# Allegro board 6089-119-RevB_08.brd (continued)
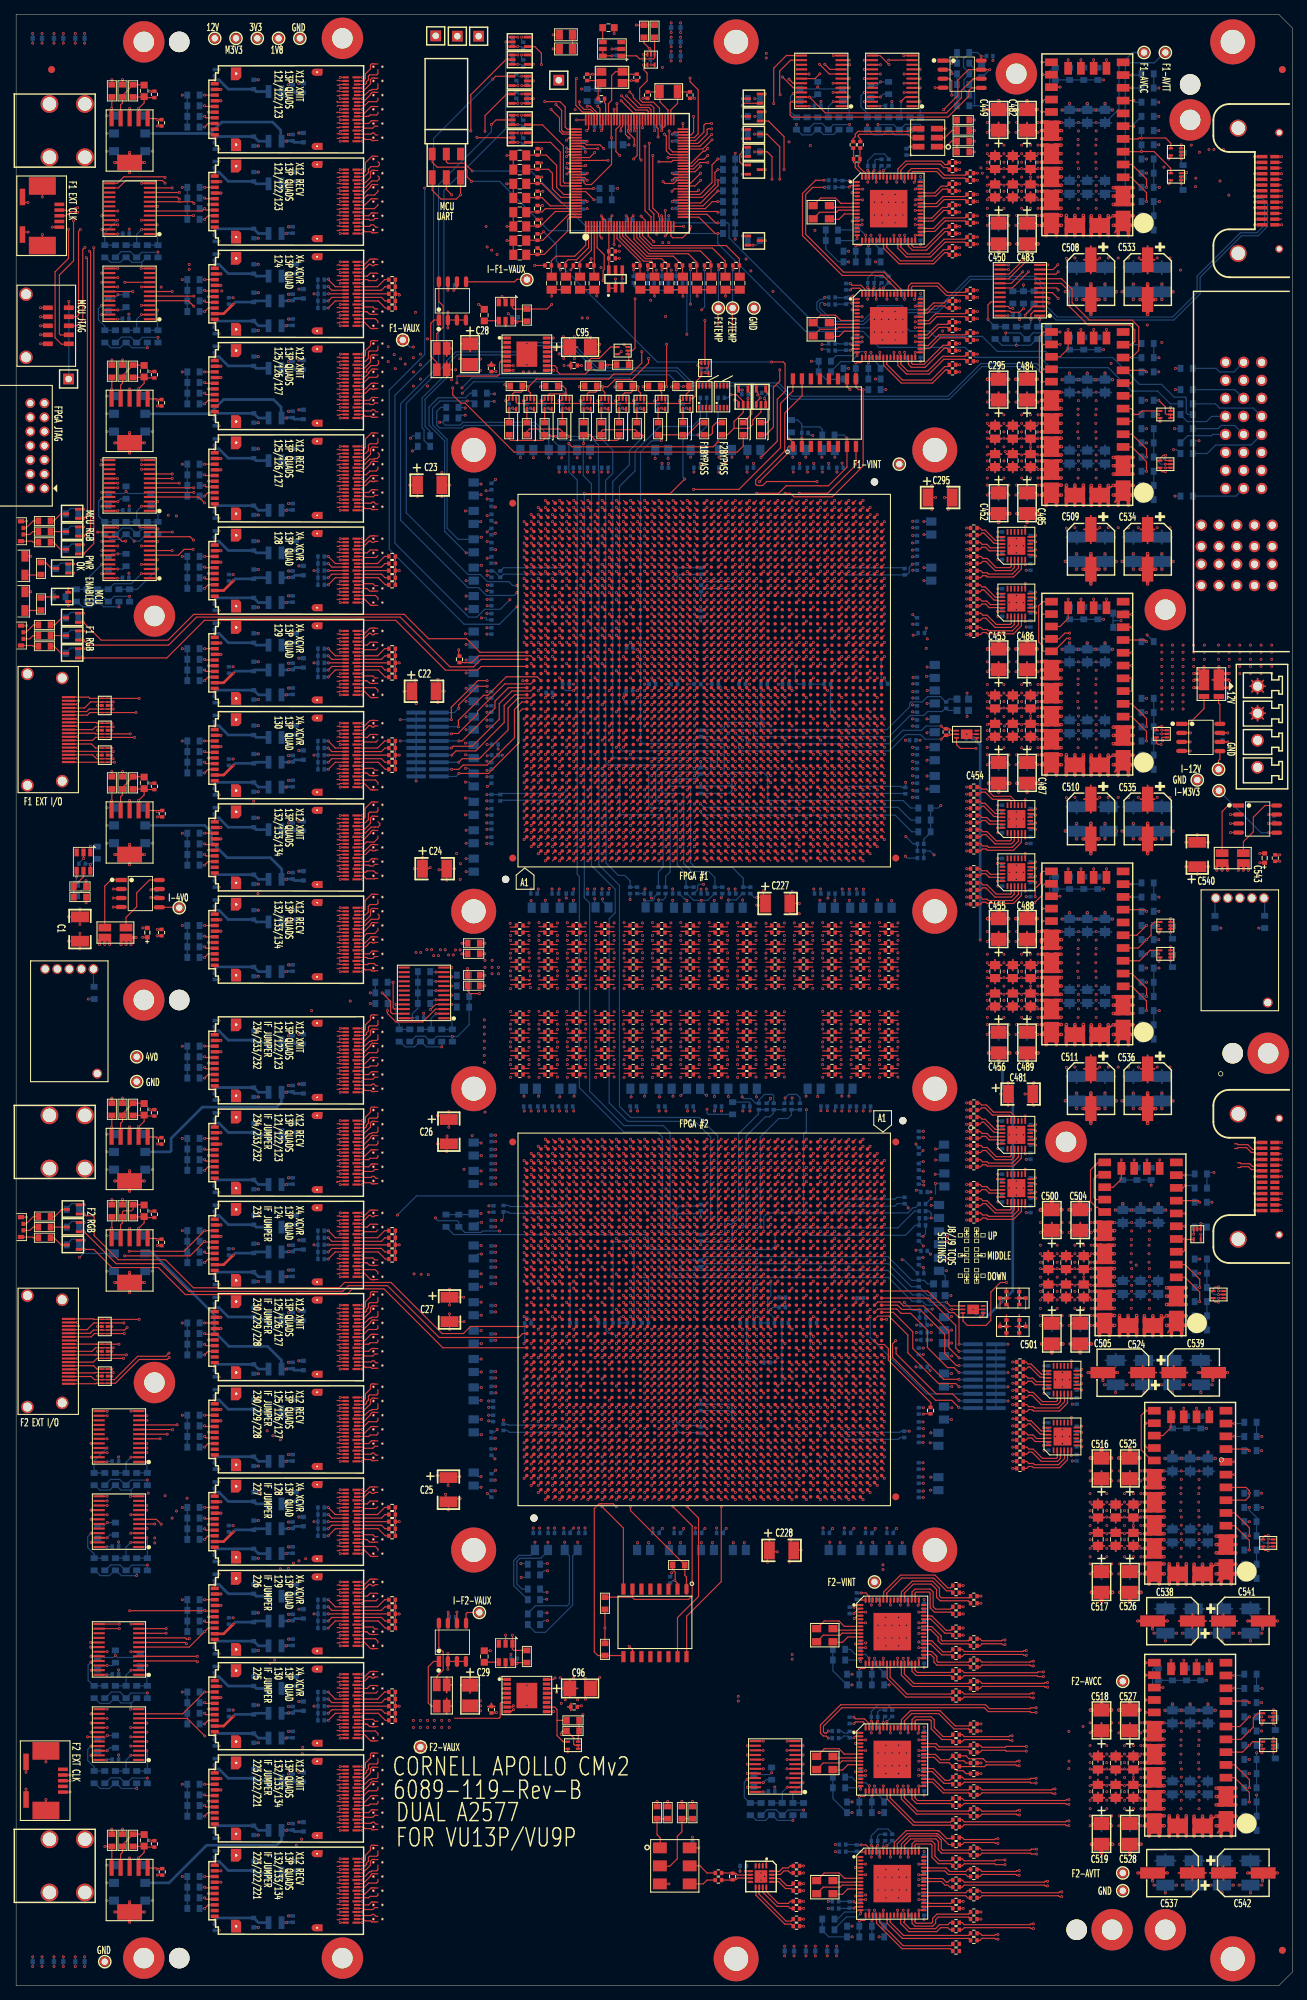
[diagram p0: board, top side]
## Routing (per net, layer and track width the routed paths; a pad name or vN(x,y) marks a point on that pad's centre or on a via; arc(x,y) is an arc through that point) (continued)
  TOP w0.254: 60.7,226.62 R73.1 ; R73.1 60.7,228.78 ; R73.1 61.42,227.7 ; 53.83,232.57 PM10.1 ; PM10.1 55.38,231.9 ; PM10.1 53.83,231.23 ; PM10.1 53.62,231.9 ; PM10.1 54.5,232.78 ; PM10.1 55.17,232.57 ; PM10.1 54.5,231.02 ; PM10.1 55.17,231.23
  PWR3 w0.152: v1(74.25,252.85) 73.3,252.85 58.15,237.7 58.15,232.25 57.95,232.05 v1(57.99,232.05)
  PWR4 w0.254: 53.62,231.9 PM10.1 ; PM10.1 55.38,231.9 ; PM10.1 55.17,232.57 ; PM10.1 53.83,232.57 ; PM10.1 54.5,232.78 ; PM10.1 54.5,231.02 ; PM10.1 53.83,231.23 ; PM10.1 55.17,231.23
  BOTTOM w0.165: v1(126.45,190.3) 126.85,190.3 C752.2 ; v1(66.36,196.6) 66.85,196.6 C996.2 ; C784.2 126.85,178.5 126.36,178.5 v1(126.35,178.51) ; C789.2 v1(125.37,175.5) ; C891.2 v1(96.5,192.3) ; v1(56,230.9) 55.5,230.9 PM10.1 ; v1(126.4,193.2) 126.85,192.75 C780.2 ; C985.2 v1(68.53,173.4) ; C984.2 v1(67.95,174.26)
  vias: v1(56,229.4) v1(56,227.4) v1(56,225.4) v1(57,229.9) v1(57,228.4) v1(57,226.4) v1(58,225.4) v1(61.4,226.3) v1(61.95,227.7)
V_F2_AVCC: length 302.8
  TOP w0.165: U77.BF15 v1(76.61,105.29) ; U77.BB41 v1(80.61,78.51) ; U77.BF38 v1(76.61,81.51) ; R86.1 v1(74.1,256.85) ; U77.R39 v1(108.39,80.51) ; U77.AD42 v1(99.39,77.51) ; U77.BF37 v1(76.61,82.51) ; U77.H10 v1(115.39,110.29) ; U77.Y42 v1(103.39,77.51) ; U77.K41 v1(113.39,78.51) ; U77.AW13 v1(83.61,107.29) ; U77.AB11 v1(101.39,109.29) ; U77.R13 v1(108.39,107.29) ; U77.G39 v1(116.39,80.51) ; U77.AP11 v1(88.61,109.29) ; U77.AF41 v1(97.39,78.51) ; U77.AP41 v1(88.61,78.51) ; U77.G35 v1(116.39,84.51) ; U77.P11 v1(109.39,109.29) ; U77.BD42 v1(78.61,77.51) ; U77.AJ12 v1(93.61,108.29) ; U77.G17 v1(116.39,103.29) ; U77.K11 v1(113.39,109.29) ; U77.AT10 v1(86.61,110.29) ; U77.BE13 v1(77.61,107.29) ; U77.T10 v1(107.39,110.29) ; U77.AU40 v1(85.61,79.51) ; U77.AK41 v1(92.61,78.51) ; U77.AC40 v1(100.39,79.51) ; U77.N12 v1(110.39,108.29) ; U77.AT42 v1(86.61,77.51) ; U77.AY10 v1(82.61,110.29) ; U77.U12 v1(106.39,108.29) ; U77.G13 v1(116.39,107.29) ; U77.AW39 v1(83.61,80.51) ; U77.N40 v1(110.39,79.51) ; U77.AH42 v1(94.61,77.51) ; U77.AH10 v1(94.61,110.29) ; U77.AR13 v1(87.61,107.29) ; U77.P41 v1(109.39,78.51) ; U77.Y10 v1(103.39,110.29) ; U77.V41 v1(105.39,78.51) ; U77.AD10 v1(99.39,110.29) ; U77.BD10 v1(78.61,110.29) ; U77.BE39 v1(77.61,80.51) ; U77.AV41 v1(84.61,78.51) ; U77.AV11 v1(84.61,109.29) ; U77.U40 v1(106.39,79.51) ; U77.BB11 v1(80.61,109.29) ; U77.AK11 v1(92.61,109.29) ; U77.AM10 v1(90.61,110.29) ; U77.T42 v1(107.39,77.51) ; U77.M10 v1(111.39,110.29) ; U77.BF14 v1(76.61,106.29) ; U77.AF11 v1(97.39,109.29) ; U77.AM42 v1(90.61,77.51) ; U77.AY42 v1(82.61,77.51) ; U77.H42 v1(115.39,77.51) ; U77.AU12 v1(85.61,108.29) ; U77.AJ40 v1(93.61,79.51) ; U77.M42 v1(111.39,77.51) ; U77.AC12 v1(100.39,108.29) ; U77.V11 v1(105.39,109.29) ; U77.AB41 v1(101.39,78.51) ; U77.AR39 v1(87.61,80.51)
  TOP w0.254: 159.22,35.88 U118.22 161.68,35.88 ; 155,31.56 C522.1 ; C522.1 154.1,32.31 ; C522.1 155,33.06 ; C522.1 155.9,32.31 ; 161.68,32.62 U118.23 159.22,32.62 ; C514.1 153.4,32.31 ; C514.1 151.6,32.31 ; C514.1 152.5,31.56 ; C514.1 152.5,33.06 ; C518.1 153,37.03 ; C518.1 154.3,35.94 ; C518.1 153,34.85 ; C518.1 151.7,35.94 ; 155.7,35.94 C527.1 ; C527.1 158.3,35.94 ; C527.1 157,37.03 ; C527.1 157,34.85 ; 156.6,32.31 C531.1 ; C531.1 157.5,33.06 ; C531.1 158.4,32.31 ; C531.1 157.5,31.56
  TOP w0.5: 160.43,35.9 v1(159.05,35.9) ; 160.43,35.9 v1(161.85,35.9) ; 160.43,35.9 160.43,36.58 ; 160.43,35.9 160.43,35.17 ; 160.43,35.17 160,34.75 159.15,34.75 ; 160.43,35.17 160.85,34.75 161.75,34.75 ; 160.43,32.65 v1(159.04,32.65) ; 160.43,32.65 160.43,33.33 ; 160.43,32.65 v1(161.81,32.65) ; 160.43,32.65 160.43,31.93 ; 160.43,33.33 160.43,33.35 159.93,33.85 v1(159.04,33.85) ; 160.43,33.33 160.95,33.85 v1(161.81,33.85) ; v1(159.05,37.05) 159.1,37.1 159.9,37.1 160.43,36.58 ; 160.43,31.93 159.95,31.45 v1(159.04,31.45) ; 160.43,31.93 160.9,31.45 v1(161.81,31.45) ; 160.43,36.58 160.9,37.05 161.63,37.05
  PWR3 w0.152: v1(52.45,228.85) 52.45,230.3 52.95,230.8 52.95,241.1 68.7,256.85 v1(74.1,256.85)
  PWR3 w0.254: 155.12,42.9 PM19.1 ; PM19.1 155.33,43.57 ; PM19.1 156.67,43.57 ; PM19.1 156.88,42.9 ; PM19.1 156,42.02 ; PM19.1 155.33,42.23 ; PM19.1 156.67,42.23 ; PM19.1 156,43.78
  PWR4 w0.152: v1(52.45,228.85) 52.1,228.5 52.1,143.35 56.3,139.15 56.3,129.2 64.3,121.2 v1(64.3,119.8)
  BOTTOM w0.165: v1(118.1,64.46) 118.1,64.4 118.05,64.4 117.65,64 C834.1 ; C858.1 v1(114.35,123.3) ; C1011.1 v1(67.6,115.85) ; C1048.1 v1(65.6,79.81) ; v1(72.6,123.27) 72.6,123.75 C969.1 ; C965.1 73.65,126.16 v1(73.65,125.35) ; C845.1 116.15,61.61 v1(116.15,62.46) ; C856.1 114.65,64 v1(115.1,64.45) ; v1(127.94,113.35) 127.75,113.35 C764.1 ; C763.1 127.53,116.12 v1(127.88,116.12) ; C1012.1 v1(67.6,113.85) ; v1(127.9,77.46) 127.9,77.45 C772.1 ; v1(74.96,62.5) C960.1 74.96,61.24 73.98,60.25 71.05,60.25 70.6,59.8 70.6,56.6 71.3,55.9 R464.2 ; C840.1 116.45,123.4 116.4,123.35 v1(116.4,123.27) ; v1(67.6,72.65) 67.1,72.15 C1023.1 ; C725.1 v1(128.94,77.91) ; C861.1 113,125.99 v1(113,125.3) ; v1(129.55,114.35) 130.74,114.35 C716.1 ; C958.1 v1(75.9,64.5) ; C963.1 v1(73.8,64.5) ; C773.1 v1(127.85,73.7) ; C1024.1 v1(67.55,69.75) ; C961.1 74.6,123.75 v1(74.6,123.27) ; C1040.1 v1(65.56,114.81)
  BOTTOM w0.254: 155.7,35.94 C527.1 ; C527.1 157,34.85 ; C527.1 158.3,35.94 ; C527.1 157,37.03 ; C560.1 165.5,37.74 ; C560.1 166.4,36.99 ; C560.1 164.6,36.99 ; C560.1 165.5,36.24 ; C553.1 168.9,36.99 ; C553.1 167.1,36.99 ; C553.1 168,36.24 ; C553.1 168,37.74 ; 163,36.24 C565.1 ; C565.1 163,37.74 ; C565.1 163.9,36.99 ; C565.1 162.1,36.99 ; 153,34.85 C518.1 ; C518.1 153,37.03 ; C518.1 154.3,35.94 ; C518.1 151.7,35.94 ; 151.6,32.31 C514.1 ; C514.1 152.5,33.06 ; C514.1 153.4,32.31 ; C514.1 152.5,31.56 ; 157.5,31.56 C531.1 ; C531.1 157.5,33.06 ; C531.1 156.6,32.31 ; C531.1 158.4,32.31 ; C522.1 155,33.06 ; C522.1 155.9,32.31 ; C522.1 155,31.56 ; C522.1 154.1,32.31
  vias: v1(151.4,37.05) v1(151.4,35.65) v1(151.4,33.85) v1(151.4,32.65) v1(151.4,31.45) v1(153.75,33.85) v1(153.75,32.65) v1(153.75,31.45) v1(154.33,35.93) v1(154.45,37.05) v1(155.45,35.65) v1(155.55,37.05) v1(156.25,33.85) v1(156.25,32.65) v1(156.25,31.45) v1(157.5,33.85) v1(158.55,37.05) v1(158.55,35.65) v1(158.55,33.85) v1(158.55,32.65) v1(158.55,31.45) v1(159.05,34.75) v1(161.85,37.05) v1(161.85,34.75) v1(164.25,37.05) v1(164.25,35.85) v1(164.2,34.65) v1(164.2,33.85) v1(164.2,32.65) v1(164.15,31.45) v1(166.7,33.85) v1(166.7,32.65) v1(166.7,31.45) v1(166.75,37.05) v1(166.75,35.85) v1(166.75,34.65)
V_F2_AVTT: length 483.7
  TOP w0.165: U77.AR43 v1(87.61,76.51) ; U77.D14 v1(119.39,106.29) ; U77.AL43 v1(91.61,76.51) ; U77.T45 v1(107.39,74.51) ; U77.BH42 v1(74.61,77.51) ; U77.BG13 v1(75.61,107.29) ; U77.BH38 v1(74.61,81.51) ; U77.AU8 v1(85.61,112.29) ; U77.AY7 v1(82.61,113.29) ; U77.A40 v1(122.39,79.51) ; U77.AT7 v1(86.61,113.29) ; U77.BJ12 v1(73.61,108.29) ; U77.J44 v1(114.39,75.51) ; U77.BE11 v1(77.61,109.29) ; U77.B15 v1(121.39,105.29) ; U77.BK11 v1(72.61,109.29) ; U77.AW9 v1(83.61,111.29) ; U77.W9 v1(104.39,111.29) ; U77.BG43 v1(75.61,76.51) ; U77.BF11 v1(76.61,109.29) ; U77.AK46 v1(92.61,73.51) ; U77.D38 v1(119.39,81.51) ; U77.BC43 v1(79.61,76.51) ; U77.AJ44 v1(93.61,75.51) ; U77.BK15 v1(72.61,105.29) ; U77.BL43 v1(71.61,76.51) ; U77.AK39 v1(92.61,80.51) ; U77.BH14 v1(74.61,106.29) ; U77.A12 v1(122.39,108.29) ; U77.A44 v1(122.39,75.51) ; U77.BB46 v1(80.61,73.51) ; U77.B37 v1(121.39,82.51) ; U77.K6 v1(113.39,114.29) ; U77.V6 v1(105.39,114.29) ; U77.BK41 v1(72.61,78.51) ; U77.N8 v1(110.39,112.29) ; U77.BL9 v1(71.61,111.29) ; U77.E13 v1(118.39,107.29) ; U77.M7 v1(111.39,113.29) ; U77.BE8 v1(77.61,112.29) ; U77.V46 v1(105.39,73.51) ; U77.K46 v1(113.39,73.51) ; U77.AP46 v1(88.61,73.51) ; U77.AE44 v1(98.39,75.51) ; U77.AV46 v1(84.61,73.51) ; U77.AU44 v1(85.61,75.51) ; U77.AR9 v1(87.61,111.29) ; U77.AF46 v1(97.39,73.51) ; U77.E44 v1(118.39,75.51) ; U77.F15 v1(117.39,105.29) ; U77.J8 v1(114.39,112.29) ; U77.F41 v1(117.39,78.51) ; U77.AY45 v1(82.61,74.51) ; U77.BD7 v1(78.61,113.29) ; U77.R9 v1(108.39,111.29) ; U77.F37 v1(117.39,82.51) ; U77.AC9 v1(100.39,111.29) ; U77.E40 v1(118.39,79.51) ; U77.AV6 v1(84.61,114.29) ; U77.BL13 v1(71.61,107.29) ; U77.AB46 v1(101.39,73.51) ; U77.BF41 v1(76.61,78.51) ; U77.AN8 v1(89.61,112.29) ; U77.M45 v1(111.39,74.51) ; R85.1 v1(74.1,258.85) ; U77.BG9 v1(75.61,111.29) ; U77.BE41 v1(77.61,78.51) ; U77.AN44 v1(89.61,75.51) ; U77.H45 v1(115.39,74.51) ; U77.AD7 v1(99.39,113.29) ; U77.G41 v1(116.39,78.51) ; U77.BC9 v1(79.61,111.29) ; U77.AM7 v1(90.61,113.29) ; U77.BK37 v1(72.61,82.51) ; U77.AT45 v1(86.61,74.51) ; U77.AD45 v1(99.39,74.51) ; U77.BJ8 v1(73.61,112.29) ; U77.AA8 v1(102.39,112.29) ; U77.T7 v1(107.39,113.29) ; U77.BJ40 v1(73.61,79.51) ; U77.L43 v1(112.39,76.51) ; U77.AA44 v1(102.39,75.51) ; U77.H7 v1(115.39,113.29) ; U77.C43 v1(120.39,76.51) ; U77.N44 v1(110.39,75.51) ; U77.Y45 v1(103.39,74.51) ; U77.C9 v1(120.39,111.29) ; U77.AB39 v1(101.39,80.51) ; U77.BE44 v1(77.61,75.51) ; U77.BB6 v1(80.61,114.29) ; U77.L9 v1(112.39,111.29) ; U77.R43 v1(108.39,76.51) ; U77.AM45 v1(90.61,74.51) ; U77.AW43 v1(83.61,76.51) ; U77.AE8 v1(98.39,112.29) ; U77.AC43 v1(100.39,76.51) ; U77.AK6 v1(92.61,114.29) ; U77.B11 v1(121.39,109.29) ; U77.AF6 v1(97.39,114.29) ; U77.AH7 v1(94.61,113.29) ; U77.G9 v1(116.39,111.29) ; U77.E8 v1(118.39,112.29) ; U77.U8 v1(106.39,112.29) ; U77.G43 v1(116.39,76.51) ; U77.G11 v1(116.39,109.29) ; U77.BL39 v1(71.61,80.51) ; U77.F11 v1(117.39,109.29) ; U77.A8 v1(122.39,112.29) ; U77.AH45 v1(94.61,74.51) ; U77.U44 v1(106.39,75.51) ; U77.P6 v1(109.39,114.29) ; U77.BA44 v1(81.61,75.51) ; U77.P46 v1(109.39,73.51) ; U77.AB13 v1(101.39,107.29) ; U77.AK13 v1(92.61,107.29) ; U77.AG43 v1(95.61,76.51) ; U77.AP6 v1(88.61,114.29) ; U77.BD45 v1(78.61,74.51) ; U77.W43 v1(104.39,76.51) ; U77.D42 v1(119.39,77.51) ; U77.AG9 v1(95.61,111.29) ; U77.AL9 v1(91.61,111.29) ; U77.Y7 v1(103.39,113.29) ; U77.BA8 v1(81.61,112.29) ; U77.D10 v1(119.39,110.29) ; U77.BG39 v1(75.61,80.51) ; U77.C39 v1(120.39,80.51) ; U77.C13 v1(120.39,107.29) ; U77.BJ44 v1(73.61,75.51) ; U77.BH10 v1(74.61,110.29) ; U77.AB6 v1(101.39,114.29) ; U77.B41 v1(121.39,78.51) ; U77.AJ8 v1(93.61,112.29)
  TOP w0.254: C528.1 157,23.95 ; C528.1 158.3,22.86 ; C528.1 155.7,22.86 ; C519.1 153,23.95 ; C519.1 151.7,22.86 ; C519.1 154.3,22.86 ; C532.1 158.4,26.49 ; C532.1 156.6,26.49 ; C532.1 157.5,25.74 ; C532.1 157.5,27.24 ; 152.5,25.74 C515.1 ; C515.1 151.6,26.49 ; C515.1 152.5,27.24 ; C515.1 153.4,26.49 ; 159.22,26.12 U118.25 161.68,26.12 ; 155,25.74 C523.1 ; C523.1 155.9,26.49 ; C523.1 155,27.24 ; C523.1 154.1,26.49 ; 159.22,22.88 U118.26
  TOP w0.5: v1(159.05,22.55) 160.07,22.55 160.43,22.9 ; 160.43,23.57 160.05,23.95 v1(159.05,23.95) ; 160.43,23.57 160.43,22.9 ; 160.43,23.57 160.8,23.95 v1(161.83,23.95) ; v1(161.15,21.1) 161.15,21.45 160.43,22.18 ; 160.43,22.18 159.7,21.45 v1(159.7,21.1) ; 160.43,22.18 160.43,22.9 ; 160.43,25.43 160.9,24.95 v1(161.81,24.95) ; 160.43,25.43 159.95,24.95 v1(159.04,24.95) ; 160.43,25.43 160.43,26.15 ; v1(159.04,27.35) 159.93,27.35 160.43,26.85 160.43,26.82 ; v1(161.81,27.35) 160.95,27.35 160.43,26.82 ; v1(161.85,22.55) 160.78,22.55 U118.26 160.43,22.9 ; 160.43,26.15 160.43,26.82 ; 160.43,26.15 v1(161.81,26.15) ; 160.43,26.15 v1(159.04,26.15)
  SIG1 w0.079: v1(96.5,82.53) v1(96.5,79.5) 96.5,77.4 v1(95.61,76.51) ; v1(96.5,104.4) v1(96.5,108.3)
  SIG2 w0.079: v1(95.61,111.29) 96.5,110.4 v1(96.5,108.3)
  PWR1 w0.254: PM20.1 156.88,15.9 ; PM20.1 155.33,15.23 ; PM20.1 155.12,15.9 ; PM20.1 156.67,16.57 ; PM20.1 155.33,16.57 ; PM20.1 156.67,15.23 ; PM20.1 156,15.02 ; PM20.1 156,16.78
  PWR4 w0.152: 153.7,108.2 153.55,108.35 ; v1(74.1,258.85) 62.05,258.85 55.9,252.7 55.9,244.25 50.55,238.9 41.85,238.9 37.5,234.55 37.5,112.85 39.9,110.45 51.9,110.45 v1(53.75,108.6)
  PWR4 w0.254: 155.33,15.23 PM20.1 ; PM20.1 156.67,15.23 ; PM20.1 156,16.78 ; PM20.1 156.67,16.57 ; PM20.1 156.88,15.9 ; PM20.1 155.12,15.9 ; PM20.1 155.62,15.03 ; PM20.1 155.33,16.57
  BOTTOM w0.165: v1(68.45,107.85) 68.7,108.1 R469.1 69.35,109.05 69.55,108.85 77.2,108.85 77.61,109.26 v1(77.61,109.29) ; C833.1 118.45,123.27 v1(118.44,123.27) ; v1(96.5,104.4) R429.1 96.85,104.95 96.97,104.83 100.58,104.83 100.95,105.2 100.95,106.85 v1(101.39,107.29) ; v1(92.61,107.29) 92.61,107.46 93.1,107.95 93.1,108.5 93.4,108.8 96.1,108.8 R428.1 v1(96.5,108.3) ; v1(77.61,78.51) 77.49,78.51 77,79 69.4,79 69.3,79.1 68.75,79.1 R470.1 v1(68.7,79.7) ; C1009.1 v1(67.6,119.85) ; v1(76.6,123.27) 76.6,123.75 C957.1 ; C1021.1 67.5,78.05 67.8,78.35 67.8,78.37 v1(67.82,78.37) ; C774.1 v1(127.85,71.7) ; C1039.1 65.49,118.81 65.55,118.75 v1(65.55,118.75) ; C1049.1 65.06,71.75 v1(65.55,71.75) ; C988.1 v1(66.61,80.4) ; C1010.1 v1(67.6,117.85) ; v1(79.16,62.5) C947.1 79.16,61.26 78.45,60.55 78.45,53.65 74.6,49.8 73.2,49.8 72.14,50.86 R467.2 ; C836.1 117.4,125.89 v1(117.4,125.35) ; v1(129.6,117.9) 129.95,117.9 130.56,118.51 C717.1 ; v1(92.61,80.51) 92.61,80.19 93.1,79.7 93.1,79.45 93.6,78.95 96.3,78.95 96.3,78.95 R431.1 v1(96.5,79.5) ; v1(126.85,118.6) 126.85,118.5 C762.1 ; v1(125.9,78.15) R313.1 124.75,78.15 124.6,78 116.9,78 v1(116.39,78.51) ; v1(124.1,64.45) 123.65,64 C804.1 ; v1(120.4,123.27) 120.45,123.27 C824.1 ; v1(96.5,82.53) R430.1 100.66,81.95 100.9,81.71 100.9,81.3 101.39,80.81 v1(101.39,80.51) ; v1(120.75,62.5) 120.86,62.39 C825.1 ; C945.1 v1(80.2,64.5) ; v1(121.1,64.45) 121.1,64.25 C823.1 ; v1(116.39,109.29) 116.95,109.85 123.85,109.85 124.2,110.2 R312.1 125.3,110.2 125.75,109.75 v1(125.75,109.6) ; v1(78.66,125.35) 78.66,126.16 C952.1 ; v1(78.61,123.27) 78.6,123.27 78.6,123.75 C949.1 ; C775.1 v1(127.89,69.7) ; C950.1 78.1,64.05 78.55,64.5 v1(78.6,64.5) ; v1(71.61,111.29) 56.44,111.29 v1(53.75,108.6) ; C726.1 v1(128.94,71.66) ; C761.1 v1(127.89,120.4)
  BOTTOM w0.254: 168,26.24 C554.1 167.1,26.99 ; C532.1 158.4,26.49 ; C532.1 157.5,25.74 ; C532.1 157.5,27.24 ; C532.1 156.6,26.49 ; 164.6,26.99 C561.1 ; C561.1 165.5,26.24 ; C561.1 166.4,26.99 ; 153,21.77 C519.1 ; C519.1 154.3,22.86 ; C519.1 153,23.95 ; C519.1 151.7,22.86 ; C523.1 155.9,26.49 ; C523.1 154.1,26.49 ; C523.1 155,25.74 ; C523.1 155,27.24 ; 155.7,22.86 C528.1 ; C528.1 158.3,22.86 ; C528.1 157,23.95 ; C528.1 157,21.77 ; C566.1 163.9,26.99 ; C566.1 163,26.24 ; C566.1 162.1,26.99 ; C515.1 153.4,26.49 ; C515.1 151.6,26.49 ; C515.1 152.5,25.74 ; C515.1 152.5,27.24
  vias: v1(66,136.1) v1(66,135.1) v1(66,134.1) v1(66,133.1) v1(66,132.1) v1(66,131.1) v1(66,130.1) v1(151.4,27.35) v1(151.4,26.15) v1(151.4,24.95) v1(151.4,23.95) v1(151.4,22.55) v1(153.75,27.35) v1(153.75,26.15) v1(153.75,24.95) v1(154.45,23.95) v1(154.45,22.55) v1(155.45,22.55) v1(155.55,23.95) v1(156.25,27.35) v1(156.25,26.15) v1(156.25,24.95) v1(157.5,24.95) v1(158.55,27.35) v1(158.55,26.15) v1(158.55,24.95) v1(158.55,23.95) v1(158.55,22.55) v1(164.25,27.35) v1(164.25,26.15) v1(164.2,24.95) v1(166.75,27.35) v1(166.75,26.15) v1(166.75,24.95)
V_F2_FF1_3V8: length 7.9
  TOP w0.165: C12.1 18.14,122.55 C5.2 ; C5.2 17.95,122.64 R30.1 ; C5.2 18.05,121.8 17.28,121.03 v1(17.27,121.03) U20.2
  BOTTOM w0.165: v1(17.27,121.03) 17.27,121 18.2,120.07 SW4.1
V_F2_FF1_XMIT: length 27.7
  BOTTOM w0.38: SW4.2 21.68,117.5 21.85,117.67 21.85,119.4 26.25,123.8 36.7,123.8 37.4,124.5 37.4,125.89 L30.1 v1(38.12,125.9) 38.17,125.95 C1105.1 39.21,125.74 C1064.1
V_F2_FF2_3V8: length 7.9
  TOP w0.165: C13.1 18.14,108.25 C6.2 ; U21.2 v1(17.27,106.73) 17.28,106.73 18.05,107.5 C6.2 ; R31.1 17.95,108.34 C6.2
  BOTTOM w0.165: v1(17.27,106.73) 18.2,105.8 SW5.1
V_F2_FF2_XMIT: length 31.3
  BOTTOM w0.38: C1067.1 39.21,86.74 C1110.1 38.17,86.95 v1(38.12,86.9) L37.1 37.4,86.91 37.4,88.15 35.45,90.1 30,90.1 27.95,92.15 27.95,94.55 19.3,103.2 SW5.2
V_F2_FF3_3V8: length 7.9
  TOP w0.165: C7.2 18.05,18.8 17.28,18.03 v1(17.27,18.03) U22.2 ; C7.2 18.14,19.55 C14.1 ; C7.2 17.95,19.64 R32.1
  BOTTOM w0.165: SW6.1 18.2,17.07 17.27,18 v1(17.27,18.03)
V_F2_FF3_XMIT: length 26.3
  BOTTOM w0.38: SW6.2 21.55,14.5 26.85,19.8 36.73,19.8 37.41,20.48 L50.1 v1(38.12,21.9) 38.17,21.95 C1119.1 39.21,21.74 C1072.1
V_F2_INT: length 611.3
  TOP w0.165: U77.AA23 v1(102.39,97.29) ; U77.AL15 v1(91.61,105.29) ; U77.V26 v1(105.39,94.29) ; C27.1 v1(63.09,97.01) ; C27.1 v1(61.1,98.15) ; C27.1 v1(61.1,95.92) ; U77.AP18 v1(88.61,102.29) ; U77.AF26 v1(97.39,94.29) ; U77.AA33 v1(102.39,86.51) ; U77.AF16 v1(97.39,104.29) ; C228.1 105.9,61.06 v1(105.9,59.7) ; C228.1 106.39,61.15 v1(107.3,61.15) ; C228.1 v1(106.19,62.99) ; U77.AF30 v1(97.39,89.51) ; U77.AF24 v1(97.39,96.29) ; U77.AN23 v1(89.61,97.29) ; U77.AL27 v1(91.61,92.51) ; U77.U27 v1(106.39,92.51) ; C26.1 v1(61,123.16) ; C26.1 v1(61,120.97) ; C26.1 60.46,122.6 v1(59.4,122.6) ; U77.AC21 v1(100.39,99.29) ; U77.AJ17 v1(93.61,103.29) ; R87.1 v1(74.1,254.85) ; 139.84,125.65 v1(138.79,125.65) ; 139.84,125.65 v1(139.84,127.25) ; 139.84,125.65 v1(139.84,124.05) ; 139.84,125.65 C481.1 ; U77.AT22 v1(86.61,98.29) ; U77.AM20 v1(90.61,100.29) ; U77.Y30 v1(103.39,89.51) ; U77.AB28 v1(101.39,91.51) ; C25.1 60.66,71.9 v1(59.35,71.9) ; C25.1 60.9,71.56 v1(60.9,70.5) ; C25.1 61.09,71.75 v1(62.55,71.75) ; U77.AR29 v1(87.61,90.51) ; U77.AF18 v1(97.39,102.29) ; U77.Y26 v1(103.39,94.29) ; U77.AE15 v1(98.39,105.29) ; U77.AH20 v1(94.61,100.29) ; U77.AG21 v1(95.61,99.29) ; U77.AA27 v1(102.39,92.51) ; U77.AP32 v1(88.61,87.51) ; U77.AP20 v1(88.61,100.29) ; U77.AA21 v1(102.39,99.29) ; U77.AD32 v1(99.39,87.51) ; U77.AC23 v1(100.39,97.29) ; U77.Y16 v1(103.39,104.29) ; U77.AL23 v1(91.61,97.29) ; U77.AK30 v1(92.61,89.51) ; U77.W15 v1(104.39,105.29) ; U77.AU29 v1(85.61,90.51) ; U77.AK24 v1(92.61,96.29) ; U77.AF28 v1(97.39,91.51) ; U77.AE17 v1(98.39,103.29) ; U77.AD18 v1(99.39,102.29) ; U77.AL33 v1(91.61,86.51) ; U77.AD26 v1(99.39,94.29) ; U77.AH14 v1(94.61,106.29) ; U77.AG31 v1(95.61,88.51) ; U77.AR31 v1(87.61,88.51) ; U77.AR27 v1(87.61,92.51) ; U77.AB18 v1(101.39,102.29) ; U77.AL21 v1(91.61,99.29) ; U77.AE25 v1(98.39,95.29) ; U77.AN29 v1(89.61,90.51) ; U77.AN33 v1(89.61,86.51) ; U77.AE31 v1(98.39,88.51) ; U77.AN27 v1(89.61,92.51) ; U77.AB20 v1(101.39,100.29) ; U77.AP16 v1(88.61,104.29) ; U77.AR25 v1(87.61,95.29) ; U77.AL19 v1(91.61,101.29) ; U77.AC19 v1(100.39,101.29) ; U77.AB16 v1(101.39,104.29) ; U77.AU27 v1(85.61,92.51) ; U77.AM24 v1(90.61,96.29) ; U77.AA17 v1(102.39,103.29) ; U77.AJ25 v1(93.61,95.29) ; U77.W21 v1(104.39,99.29) ; U77.AR23 v1(87.61,97.29) ; U77.AE21 v1(98.39,99.29) ; U77.Y18 v1(103.39,102.29) ; U77.W17 v1(104.39,103.29) ; U77.AE33 v1(98.39,86.51) ; U77.AM28 v1(90.61,91.51) ; U77.W27 v1(104.39,92.51) ; U77.AD14 v1(99.39,106.29) ; U77.V30 v1(105.39,89.51) ; U77.AH28 v1(94.61,91.51) ; U77.AG25 v1(95.61,95.29) ; U77.AD30 v1(99.39,89.51) ; U77.AF32 v1(97.39,87.51) ; U77.Y22 v1(103.39,98.29) ; U77.AK26 v1(92.61,94.29) ; U77.AR21 v1(87.61,99.29) ; U77.AL29 v1(91.61,90.51) ; U77.AB26 v1(101.39,94.29) ; U77.AJ31 v1(93.61,88.51) ; U77.AN31 v1(89.61,88.51) ; U77.AF22 v1(97.39,98.29) ; U77.AH30 v1(94.61,89.51) ; U77.AH22 v1(94.61,98.29) ; U77.W25 v1(104.39,95.29) ; U77.AD22 v1(99.39,98.29) ; U77.W23 v1(104.39,97.29) ; U77.AB24 v1(101.39,96.29) ; U77.AU23 v1(85.61,97.29) ; U77.AB30 v1(101.39,89.51) ; U77.AL25 v1(91.61,95.29) ; U77.AC17 v1(100.39,103.29) ; U77.AL17 v1(91.61,103.29) ; U77.AC27 v1(100.39,92.51) ; U77.AM16 v1(90.61,104.29) ; U77.AF14 v1(97.39,106.29) ; U77.AG15 v1(95.61,105.29) ; U77.W19 v1(104.39,101.29) ; U77.AM18 v1(90.61,102.29) ; U77.AK20 v1(92.61,100.29) ; U77.AF20 v1(97.39,100.29) ; U77.AJ29 v1(93.61,90.51) ; U77.AE29 v1(98.39,90.51) ; U77.AH26 v1(94.61,94.29) ; U77.AG17 v1(95.61,103.29) ; U77.AM26 v1(90.61,94.29) ; U77.AD20 v1(99.39,100.29) ; U77.AT26 v1(86.61,94.29) ; U77.AG33 v1(95.61,86.51) ; U77.Y24 v1(103.39,96.29) ; U77.AN25 v1(89.61,95.29) ; U77.AC25 v1(100.39,95.29) ; U77.AA25 v1(102.39,95.29) ; U77.AU25 v1(85.61,95.29) ; U77.AJ21 v1(93.61,99.29) ; U77.AD28 v1(99.39,91.51) ; U77.AP22 v1(88.61,98.29) ; U77.AJ23 v1(93.61,97.29) ; U77.Y20 v1(103.39,100.29) ; U77.AJ27 v1(93.61,92.51) ; U77.AJ15 v1(93.61,105.29) ; U77.AK32 v1(92.61,87.51) ; U77.AC15 v1(100.39,105.29) ; U77.W31 v1(104.39,88.51) ; U77.AP24 v1(88.61,96.29) ; U77.AB32 v1(101.39,87.51) ; U77.AP28 v1(88.61,91.51) ; U77.W33 v1(104.39,86.51) ; U77.AT30 v1(86.61,89.51) ; U77.AL31 v1(91.61,88.51) ; U77.AM30 v1(90.61,89.51) ; U77.AP26 v1(88.61,94.29) ; U77.AK16 v1(92.61,104.29) ; U77.AN19 v1(89.61,101.29) ; U77.AM32 v1(90.61,87.51) ; U77.AC29 v1(100.39,90.51) ; U77.AC33 v1(100.39,86.51) ; U77.AD24 v1(99.39,96.29) ; U77.AH16 v1(94.61,104.29) ; U77.V24 v1(105.39,96.29) ; U77.AN15 v1(89.61,105.29) ; U77.AA31 v1(102.39,88.51) ; U77.AA29 v1(102.39,90.51) ; U77.U29 v1(106.39,90.51) ; U77.Y28 v1(103.39,91.51) ; U77.AH24 v1(94.61,96.29) ; U77.AE27 v1(98.39,92.51) ; U77.AG29 v1(95.61,90.51) ; U77.AM22 v1(90.61,98.29) ; U77.AT28 v1(86.61,91.51) ; U77.AA19 v1(102.39,101.29) ; U77.AE23 v1(98.39,97.29) ; U77.AG27 v1(95.61,92.51) ; U77.AH32 v1(94.61,87.51) ; U77.V28 v1(105.39,91.51) ; U77.AN21 v1(89.61,99.29) ; U77.AC31 v1(100.39,88.51) ; U77.AJ33 v1(93.61,86.51) ; U77.AN17 v1(89.61,103.29) ; U77.AD16 v1(99.39,104.29) ; U77.AB22 v1(101.39,98.29) ; U77.AE19 v1(98.39,101.29) ; U77.AK28 v1(92.61,91.51) ; U77.W29 v1(104.39,90.51) ; U77.AT24 v1(86.61,96.29) ; U77.Y32 v1(103.39,87.51) ; U77.AA15 v1(102.39,105.29) ; U77.AK22 v1(92.61,98.29) ; U77.AP30 v1(88.61,89.51) ; U77.U31 v1(106.39,88.51) ; U77.AG23 v1(95.61,97.29) ; U77.V22 v1(105.39,98.29)
  TOP w0.254: 144.6,96.99 C499.1 ; C499.1 145.5,96.24 ; C499.1 146.4,96.99 ; C499.1 145.5,97.74 ; 148,102.06 C502.1 ; C502.1 148,103.56 ; C502.1 148.9,102.81 ; C502.1 147.1,102.81 ; 154.68,103.12 U109.23 152.22,103.12 ; 146,105.35 C500.1 ; C500.1 144.7,106.44 ; C500.1 146,107.53 ; C500.1 147.3,106.44 ; 157.5,67.06 C529.1 ; C529.1 158.4,67.81 ; C529.1 157.5,68.56 ; C529.1 156.6,67.81 ; 156.6,61.99 C530.1 ; C530.1 158.4,61.99 ; C530.1 157.5,62.74 ; C530.1 157.5,61.24 ; C498.1 146.4,102.81 ; C498.1 145.5,103.56 ; C498.1 145.5,102.06 ; C498.1 144.6,102.81 ; C507.1 150.5,97.74 ; C507.1 150.5,96.24 ; C507.1 151.4,96.99 ; C507.1 149.6,96.99 ; 151.7,71.44 C516.1 ; C516.1 154.3,71.44 ; C516.1 153,72.53 ; C516.1 153,70.35 ; C526.1 158.3,58.36 ; C526.1 155.7,58.36 ; C526.1 157,59.45 ; 161.68,71.38 U117.22 159.22,71.38 ; C520.1 155.9,67.81 ; C520.1 155,68.56 ; C520.1 155,67.06 ; C520.1 154.1,67.81 ; C504.1 151.3,106.44 ; C504.1 150,105.35 ; C504.1 150,107.53 ; C504.1 148.7,106.44 ; 151.6,67.81 C512.1 ; C512.1 152.5,68.56 ; C512.1 152.5,67.06 ; C512.1 153.4,67.81 ; 144.7,93.36 C501.1 ; C501.1 147.3,93.36 ; C501.1 146,94.45 ; 152.22,96.62 U109.25 154.68,96.62 ; 155.7,71.44 C525.1 ; C525.1 157,72.53 ; C525.1 157,70.35 ; C525.1 158.3,71.44 ; 154.1,61.99 C521.1 ; C521.1 155,62.74 ; C521.1 155,61.24 ; C521.1 155.9,61.99 ; C506.1 150.5,103.56 ; C506.1 150.5,102.06 ; C506.1 151.4,102.81 ; C506.1 149.6,102.81 ; 151.7,58.36 C517.1 ; C517.1 153,59.45 ; C517.1 154.3,58.36 ; C513.1 152.5,62.74 ; C513.1 151.6,61.99 ; C513.1 152.5,61.24 ; C513.1 153.4,61.99 ; 147.1,96.99 C503.1 ; C503.1 148,97.74 ; C503.1 148.9,96.99 ; C503.1 148,96.24 ; 161.68,61.62 159.22,61.62 ; 161.68,68.12 U117.23 159.22,68.12 ; 154.68,106.38 U109.22 152.22,106.38 ; 148.7,93.36 C505.1 ; C505.1 151.3,93.36 ; C505.1 150,94.45 ; 152.22,93.38 U109.26 ; 159.22,58.38 U117.26
  TOP w0.5: 153.43,97.33 153.43,96.65 ; 153.43,97.33 153.95,97.85 v1(154.81,97.85) ; 153.43,97.33 153.43,97.35 152.93,97.85 v1(152.04,97.85) ; 153.43,96.65 v1(152.04,96.65) ; 153.43,96.65 153.43,95.92 ; 153.43,96.65 v1(154.81,96.65) ; 161.75,70.25 160.85,70.25 160.43,70.67 ; 153.43,106.4 153.43,107.08 ; 153.43,106.4 v1(152.05,106.4) ; 153.43,106.4 v1(154.85,106.4) ; 153.43,106.4 153.43,105.67 ; 153.43,107.08 152.9,107.6 152.1,107.6 v1(152.05,107.55) ; 153.43,107.08 153.9,107.55 154.63,107.55 ; 160.43,60.92 160.9,60.45 v1(161.81,60.45) ; 160.43,60.92 159.95,60.45 v1(159.04,60.45) ; 160.43,60.92 160.43,61.65 ; 153.43,95.92 152.95,95.45 v1(152.04,95.45) ; 153.43,95.92 153.9,95.45 v1(154.81,95.45) ; 153.43,103.83 153.43,103.85 152.93,104.35 v1(152.04,104.35) ; 153.43,103.83 153.43,103.15 ; 153.43,103.83 153.95,104.35 v1(154.81,104.35) ; 160.43,58.4 160.43,57.67 ; 160.43,58.4 U117.26 160.78,58.05 v1(161.85,58.05) ; 160.43,58.4 160.07,58.05 v1(159.05,58.05) ; 160.43,58.4 160.43,59.08 ; 160.43,57.67 161.15,56.95 v1(161.15,56.6) ; 160.43,57.67 159.7,56.95 v1(159.7,56.6) ; v1(159.05,71.4) 160.43,71.4 ; 160.43,71.4 v1(161.85,71.4) ; 160.43,71.4 160.43,72.08 ; 160.43,71.4 160.43,70.67 ; 153.43,92.67 153.43,93.4 ; 153.43,92.67 154.15,91.95 v1(154.15,91.6) ; 153.43,92.67 152.7,91.95 v1(152.7,91.6) ; 153.43,93.4 153.07,93.05 v1(152.05,93.05) ; 153.43,93.4 U109.26 153.78,93.05 v1(154.85,93.05) ; 153.43,93.4 153.43,94.08 ; 153.43,102.42 153.9,101.95 v1(154.81,101.95) ; 153.43,102.42 153.43,103.15 ; 153.43,102.42 152.95,101.95 v1(152.04,101.95) ; 160.43,68.15 v1(159.04,68.15) ; 160.43,68.15 160.43,67.42 ; 160.43,68.15 v1(161.81,68.15) ; 160.43,68.15 160.43,68.83 ; 160.43,72.08 160.9,72.55 161.63,72.55 ; 160.43,72.08 159.9,72.6 159.1,72.6 v1(159.05,72.55) ; 153.43,94.08 153.05,94.45 v1(152.05,94.45) ; 153.43,94.08 153.8,94.45 v1(154.83,94.45) ; v1(161.83,59.45) 160.8,59.45 160.43,59.08 ; v1(159.04,66.95) 159.95,66.95 160.43,67.42 ; 160.43,70.67 160,70.25 159.15,70.25 ; 154.75,105.25 153.85,105.25 153.43,105.67 ; 152.15,105.25 153,105.25 153.43,105.67 ; 160.43,68.83 160.43,68.85 159.93,69.35 v1(159.04,69.35) ; 160.43,68.83 160.95,69.35 v1(161.81,69.35) ; 160.43,61.65 v1(159.04,61.65) ; 160.43,61.65 160.43,62.33 ; 160.43,61.65 v1(161.81,61.65) ; 153.43,103.15 v1(152.04,103.15) ; 153.43,103.15 v1(154.81,103.15) ; 160.43,67.42 160.9,66.95 v1(161.81,66.95) ; 160.43,59.08 160.05,59.45 v1(159.05,59.45) ; 160.43,62.33 160.43,62.35 159.93,62.85 v1(159.04,62.85) ; 160.43,62.33 160.95,62.85 v1(161.81,62.85)
  PWR1 w0.254: 120.33,56.23 PM17.1 ; PM17.1 120.33,57.57 ; PM17.1 121.67,57.57 ; PM17.1 121,56.02 ; PM17.1 121.88,56.9 ; PM17.1 121,57.78 ; PM17.1 121.67,56.23 ; PM17.1 120.12,56.9
  PWR3 w0.152: v1(53.3,229.84) 53.3,240.3 67.85,254.85 v1(74.1,254.85)
  PWR4 w0.152: v1(53.3,229.84) 53.3,229 52.75,228.45 52.75,143.8 57,139.55 57,129.55 63.45,123.1 v1(66.1,123.1)
  PWR5 w0.254: 120.12,56.9 PM17.1 ; PM17.1 120.33,56.23 ; PM17.1 121,57.78 ; PM17.1 121.67,57.57 ; PM17.1 120.33,57.57 ; PM17.1 121,56.02 ; PM17.1 121.67,56.23 ; PM17.1 121.88,56.9
  PWR6 w0.254: 120.33,57.57 PM17.1 ; PM17.1 121,57.78 ; PM17.1 121.67,56.23 ; PM17.1 120.33,56.23 ; PM17.1 120.12,56.9 ; PM17.1 121.88,56.9 ; PM17.1 121.67,57.57 ; PM17.1 121,56.02
  BOTTOM w0.165: C986.1 v1(66.65,109.9) ; C1042.1 v1(65.56,104.31) ; C925.1 87.6,123.75 v1(87.6,123.27) ; C734.1 127.3,112.1 v1(126.9,112.1) ; C917.1 90.65,64 v1(91.1,64.45) ; v1(92.6,125.35) 92.6,126.21 C912.1 ; v1(129,109.95) 130.04,109.95 C722.1 ; R462.2 72.04,59.5 v1(71.15,59.5) ; C1045.1 v1(65.56,92.31) ; C883.1 99.65,64 v1(100.1,64.45) ; v1(95.6,123.27) 95.6,123.75 C897.1 ; C766.1 127.35,102.6 v1(127.85,102.6) ; C884.1 99.45,123.27 v1(99.44,123.27) ; C896.1 96.41,126.24 97.17,125.48 v1(97.33,125.48) ; C718.1 131.76,94.21 v1(131.85,94.3) ; C921.1 89.15,61.61 v1(89.15,62.45) ; C720.1 v1(131.85,86.26) ; C737.1 v1(126.9,92.05) ; v1(93.65,62.45) 93.65,61.61 C908.1 ; C881.1 100.4,126.39 v1(100.4,125.3) ; C724.1 130.34,102.56 130.73,102.4 v1(131.15,102.4) ; v1(106.35,125.05) 106.35,124.9 R396.1 ; C719.1 v1(131.89,90.56) ; C1016.1 v1(67.6,99.85) ; v1(88.6,125.35) 88.6,126.21 C922.1 ; C1017.1 v1(67.6,95.85) ; v1(91.6,123.27) 91.6,123.75 C914.1 ; C900.1 94.1,64.25 v1(94.1,64.45) ; C876.1 102.65,61.61 v1(102.65,62.45) ; C771.1 v1(127.85,79.45) ; C1022.1 v1(67.6,75.65) ; v1(98.15,62.45) 98.15,61.61 C886.1 ; C893.1 96.65,64 v1(97.1,64.45) ; C769.1 v1(127.89,89.85) ; C1043.1 v1(65.56,100.31) ; C1046.1 v1(65.56,88.31) ; C1044.1 v1(65.56,96.31) ; C1018.1 v1(67.6,91.85)
  BOTTOM w0.254: C558.1 166.4,72.49 ; C558.1 164.6,72.49 ; C558.1 165.5,73.24 ; C558.1 165.5,71.74 ; C500.1 147.3,106.44 ; C500.1 146,107.53 ; C500.1 144.7,106.44 ; C500.1 146,105.35 ; 149.6,102.81 C506.1 ; C506.1 150.5,103.56 ; C506.1 150.5,102.06 ; C506.1 151.4,102.81 ; C573.1 161,108.24 ; C573.1 161.9,107.49 ; C573.1 160.1,107.49 ; C573.1 161,106.74 ; 155,61.24 C521.1 ; C521.1 155.9,61.99 ; C521.1 154.1,61.99 ; C521.1 155,62.74 ; 157,57.27 C526.1 ; C526.1 157,59.45 ; C526.1 155.7,58.36 ; C526.1 158.3,58.36 ; C525.1 157,72.53 ; C525.1 155.7,71.44 ; C525.1 157,70.35 ; C525.1 158.3,71.44 ; 168,61.74 C552.1 167.1,62.49 ; C503.1 148,97.74 ; C503.1 147.1,96.99 ; C503.1 148.9,96.99 ; C503.1 148,96.24 ; 152.5,67.06 C512.1 ; C512.1 153.4,67.81 ; C512.1 151.6,67.81 ; C512.1 152.5,68.56 ; 144.7,93.36 C501.1 ; C501.1 147.3,93.36 ; C501.1 146,94.45 ; C501.1 146,92.27 ; 150,105.35 C504.1 ; C504.1 148.7,106.44 ; C504.1 150,107.53 ; C504.1 151.3,106.44 ; 150,92.27 C505.1 ; C505.1 150,94.45 ; C505.1 151.3,93.36 ; C505.1 148.7,93.36 ; C513.1 152.5,62.74 ; C513.1 152.5,61.24 ; C513.1 153.4,61.99 ; C513.1 151.6,61.99 ; 151.7,58.36 C517.1 ; C517.1 154.3,58.36 ; C517.1 153,57.27 ; C517.1 153,59.45 ; 168,71.74 C551.1 ; C551.1 168.9,72.49 ; C551.1 167.1,72.49 ; C551.1 168,73.24 ; C529.1 157.5,68.56 ; C529.1 156.6,67.81 ; C529.1 157.5,67.06 ; C529.1 158.4,67.81 ; 162.1,72.49 C563.1 ; C563.1 163.9,72.49 ; C563.1 163,71.74 ; C563.1 163,73.24 ; C502.1 148.9,102.81 ; C502.1 147.1,102.81 ; C502.1 148,102.06 ; C502.1 148,103.56 ; C498.1 146.4,102.81 ; C498.1 144.6,102.81 ; C498.1 145.5,103.56 ; C498.1 145.5,102.06 ; C530.1 158.4,61.99 ; C530.1 157.5,62.74 ; C530.1 157.5,61.24 ; C530.1 156.6,61.99 ; C564.1 163.9,62.49 ; C564.1 163,61.74 ; C564.1 162.1,62.49 ; C507.1 151.4,96.99 ; C507.1 149.6,96.99 ; C507.1 150.5,96.24 ; C507.1 150.5,97.74 ; C516.1 154.3,71.44 ; C516.1 151.7,71.44 ; C516.1 153,70.35 ; C516.1 153,72.53 ; C559.1 166.4,62.49 ; C559.1 165.5,61.74 ; C559.1 164.6,62.49 ; C576.1 159.4,107.49 ; C576.1 157.6,107.49 ; C576.1 158.5,108.24 ; C576.1 158.5,106.74 ; 160.1,97.49 C574.1 161,96.74 ; 155.1,97.49 C591.1 ; C591.1 156.9,97.49 ; C591.1 156,96.74 ; 144.6,96.99 C499.1 ; C499.1 146.4,96.99 ; C499.1 145.5,96.24 ; C499.1 145.5,97.74 ; C590.1 156,108.24 ; C590.1 155.1,107.49 ; C590.1 156.9,107.49 ; C590.1 156,106.74 ; 158.5,96.74 C577.1 ; C577.1 159.4,97.49 ; C577.1 157.6,97.49 ; C520.1 155.9,67.81 ; C520.1 155,68.56 ; C520.1 155,67.06 ; C520.1 154.1,67.81
  vias: v1(144.4,107.55) v1(144.4,106.15) v1(144.4,104.35) v1(144.4,103.15) v1(144.4,101.95) v1(144.4,97.85) v1(144.4,96.65) v1(144.4,95.45) v1(144.4,94.45) v1(144.4,93.05) v1(146.75,104.35) v1(146.75,103.15) v1(146.75,101.95) v1(146.75,97.85) v1(146.75,96.65) v1(146.75,95.45) v1(147.45,107.55) v1(147.45,106.15) v1(147.45,94.45) v1(147.45,93.05) v1(148.45,106.15) v1(148.45,93.05) v1(148.55,107.55) v1(148.55,94.45) v1(149.25,104.35) v1(149.25,103.15) v1(149.25,101.95) v1(149.25,97.85) v1(149.25,96.65) v1(149.25,95.45) v1(150.5,104.35) v1(150.5,95.45) v1(151.4,72.55) v1(151.4,71.15) v1(151.4,69.35) v1(151.4,68.15) v1(151.4,66.95) v1(151.4,62.85) v1(151.4,61.65) v1(151.4,60.45) v1(151.4,59.45) v1(151.4,58.05) v1(151.55,107.55) v1(151.55,106.15) v1(151.55,104.35) v1(151.55,103.15) v1(151.55,101.95) v1(151.55,97.85) v1(151.55,96.65) v1(151.55,95.45) v1(151.55,94.45) v1(151.55,93.05) v1(152.05,105.25) v1(153.75,69.35) v1(153.75,68.15) v1(153.75,66.95) v1(153.75,62.85) v1(153.75,61.65) v1(153.75,60.45) v1(154.45,72.55) v1(154.45,71.15) v1(154.45,59.45) v1(154.45,58.05) v1(154.85,107.55) v1(154.85,105.25) v1(155.45,71.15) v1(155.45,58.05) v1(155.55,72.55) v1(155.55,59.45) v1(156.25,69.35) v1(156.25,68.15) v1(156.25,66.95) v1(156.25,62.85) v1(156.25,61.65) v1(156.25,60.45) v1(157.25,107.55) v1(157.25,106.35) v1(157.2,105.15) v1(157.2,104.35) v1(157.2,103.15) v1(157.15,101.95) v1(157.25,97.85) v1(157.25,96.65) v1(157.2,95.45) v1(157.5,69.35) v1(157.5,60.45) v1(158.55,72.55) v1(158.55,71.15) v1(158.55,69.35) v1(158.55,68.15) v1(158.55,66.95) v1(158.55,62.85) v1(158.55,61.65) v1(158.55,60.45) v1(158.55,59.45) v1(158.55,58.05) v1(159.05,70.25) v1(159.7,104.35) v1(159.7,103.15) v1(159.7,101.95) v1(159.75,107.55) v1(159.75,106.35) v1(159.75,105.15) v1(159.75,97.85) v1(159.75,96.65) v1(159.75,95.45) v1(161.85,72.55) v1(161.85,70.25) v1(164.25,72.55) v1(164.25,71.35) v1(164.2,70.15) v1(164.2,69.35) v1(164.2,68.15) v1(164.15,66.95) v1(164.25,62.85) v1(164.25,61.65) v1(164.2,60.45) v1(166.7,69.35) v1(166.7,68.15) v1(166.7,66.95) v1(166.75,72.55) v1(166.75,71.35) v1(166.75,70.15) v1(166.75,62.85) v1(166.75,61.65) v1(166.75,60.45)
